# Altium PCB PCB_Amplifier_mini.PcbDoc (part 1 of 2) (continued)
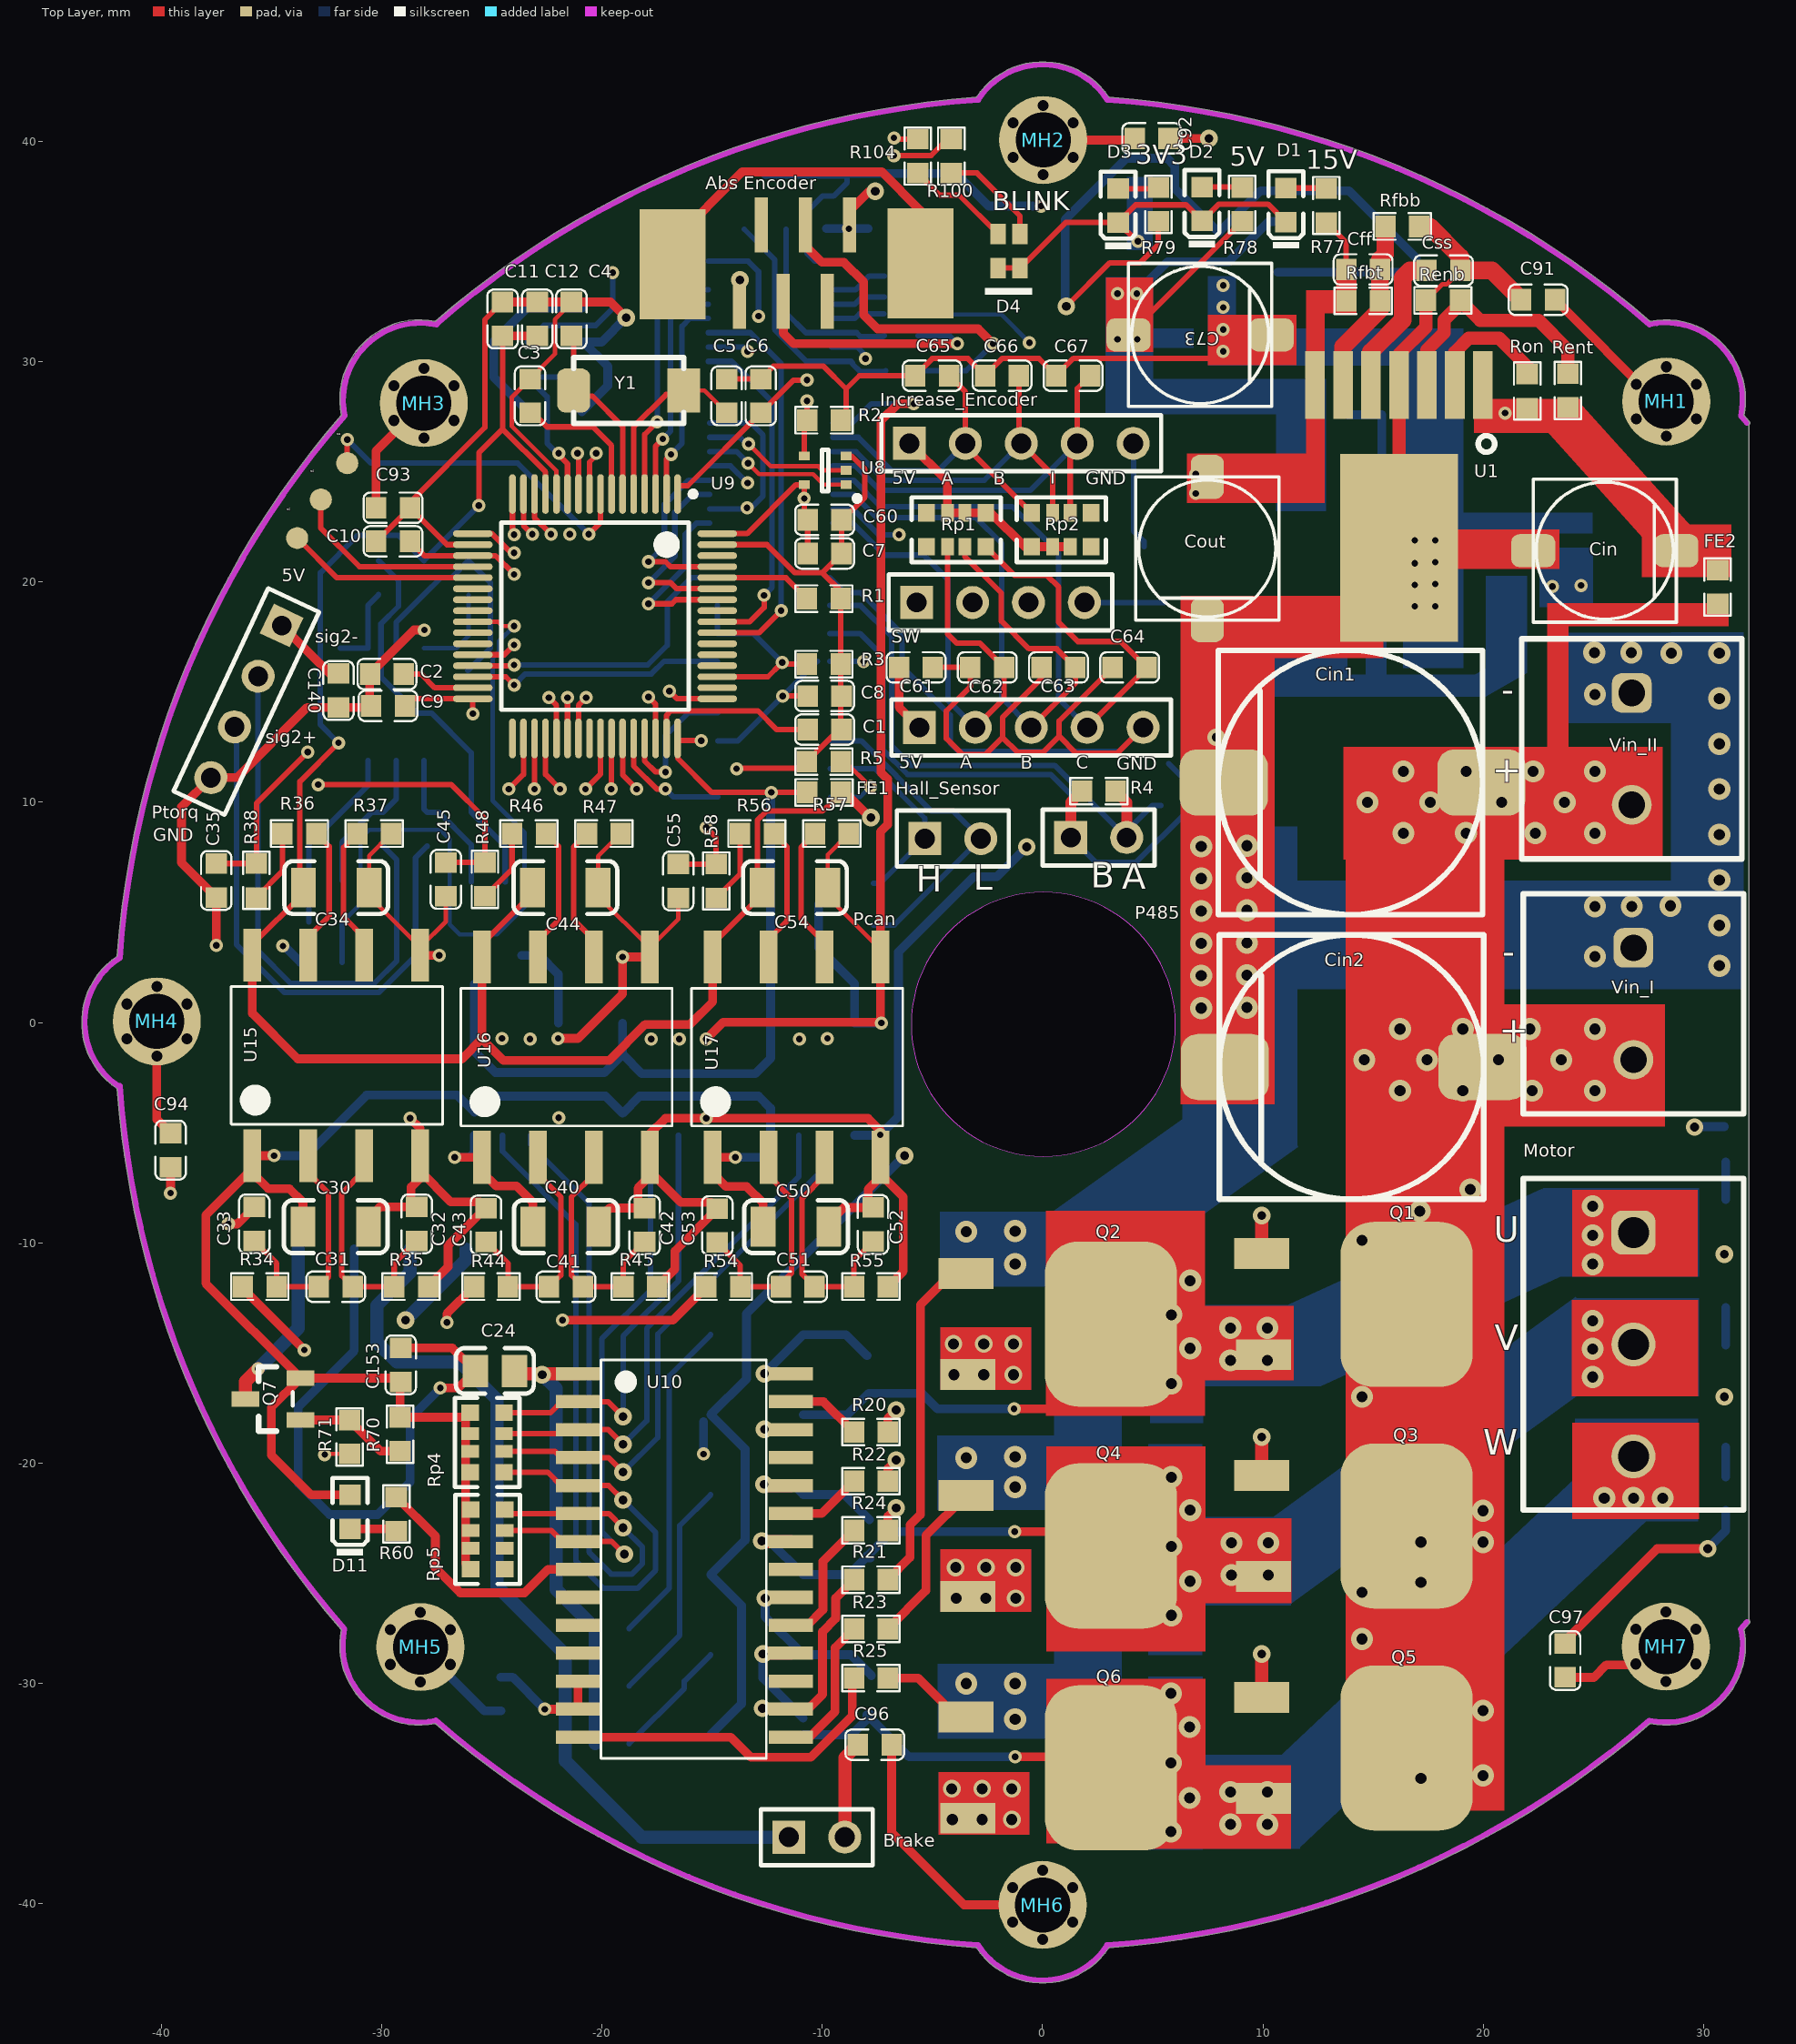
[diagram p0: Top Layer view]
## Components (designator, comment, footprint, x,y, rotation, side; value= is the part's Value field where it differs from the comment)
"Abs Encoder" "7pin FFC" "FPC Con 6pin 1mm" -8.775,35.9 r270 top
Brake "Header 2" HDR1X2 -11.525,-37 r0 top
C1 "2.2uF (225) 10% 16V" 0603_C -9.9,13.3 r180 top
C2 "2.2uF (225) 10% 16V" 0603_C -29.775,15.825 r0 top
C3 "0.1uF 0% 16V" 0603_C -23.275,28.458 r90 top
C4 "20pF 16V" 0603_C -21.4,31.95 r90 top
C5 "20pF 16V" 0603_C -14.35,28.458 r90 top
C6 "10uF (106) 10% 10V" 0603_C -12.8,28.458 r270 top
C7 "1uF (105) 10% 50V" 0603_C -9.9,21.3 r180 top
C8 "100nF (104) 10% 50V" 0603_C -9.9,14.825 r180 top
C9 "100nF (104) 10% 50V" 0603_C -29.725,14.375 r0 top
C10 "100nF (104) 10% 50V" 0603_C -29.5,21.85 r0 top
C11 "100nF (104) 10% 50V" 0603_C -24.525,31.95 r270 top
C12 "100nF (104) 10% 50V" 0603_C -22.95,31.95 r270 top
C21 "1uF (105) 10% 50V" 0805_C -7.975,-16.025 r270 bottom
C22 "1uF (105) 10% 50V" 0805_C -7.975,-23.325 r270 bottom
C23 "1uF (105) 10% 50V" 0805_C -7.975,-30.55 r270 bottom
C24 "22uF (226) 20% 25V" 0805_C -24.875,-15.825 r0 top
C30 "100nF (104) 10% 50V" 1206_C -32.1,-9.275 r180 top
C31 "330pF (331) 5% 50V" 0603_C -32.1,-12 r180 top
C32 "10pF (100) 5% 50V" 0603_C -28.425,-9.15 r270 top
C33 "10pF (100) 5% 50V" 0603_C -35.8,-9.15 r270 top
C34 "100nF (104) 10% 50V" 1206_C -32.075,6.125 r180 top
C35 "100nF (104) 10% 50V" 0603_C -37.525,6.45 r90 top
C40 "100nF (104) 10% 50V" 1206_C -21.65,-9.275 r180 top
C41 "330pF (331) 5% 50V" 0603_C -21.65,-12 r180 top
C42 "10pF (100) 5% 50V" 0603_C -18.075,-9.2 r270 top
C43 "10pF (100) 5% 50V" 0603_C -25.275,-9.2 r270 top
C44 "100nF (104) 10% 50V" 1206_C -21.675,6.125 r180 top
C45 "100nF (104) 10% 50V" 0603_C -27.1,6.5 r90 top
C50 "100nF (104) 10% 50V" 1206_C -11.2,-9.275 r180 top
C51 "330pF (331) 5% 50V" 0603_C -11.125,-12 r180 top
C52 "10pF (100) 5% 50V" 0603_C -7.7,-9.175 r270 top
C53 "10pF (100) 5% 50V" 0603_C -14.775,-9.225 r270 top
C54 "100nF (104) 10% 50V" 1206_C -11.25,6.125 r180 top
C55 "100nF (104) 10% 50V" 0603_C -16.55,6.425 r90 top
C60 "0.1uF (104) 10% 50V" 0603_C -9.9,22.825 r180 top
C61 "0.1uF (104) 10% 50V" 0603_C -5.75,16.125 r180 top
C62 "1nF (102) 10% 50V" 0603_C -2.517,16.125 r0 top
C63 "1nF (102) 10% 50V" 0603_C 0.717,16.125 r0 top
C64 "1nF (102) 10% 50V" 0603_C 3.95,16.125 r0 top
C65 "1nF (102) 10% 50V" 0603_C -5.02,29.375 r0 top
C66 "1nF (102) 10% 50V" 0603_C -1.845,29.375 r0 top
C67 "1nF (102) 10% 50V" 0603_C 1.38,29.375 r0 top
C70 "10uF 10% 16V" "Cap Tan 3015" 24.225,20.725 r90 bottom
C71 "4.7F 10% 50V" 1608[0603] 22.35,21.9 r270 bottom
C72 "10nF 16V 10%" 1608[0603] 15.175,18.1 r90 bottom
C73 "220uF 10V" "6.3x5.4 贴片电解电容" 3.9,27.975 r0 top
C74 "10uF 10% 16V" "Cap Tan 3015" 6.225,33.05 r0 bottom
C75 "0.1uF 50V 10%" 1608[0603] 7.2,31.075 r180 bottom
C76 "0.1uF 50V 10%" 1608[0603] 5.3,37.95 r0 bottom
C77 "10uF 10% 16V" "Cap Tan 3015" 6.2,35.875 r180 bottom
C79 "4.7uF (475) 10% 16V" 0603_C -20.925,28.515 r90 bottom
C80 "100nF (104) 10% 50V" 0603_C -26.1,16.75 r270 bottom
C85 "47pF (470) 5% 50V" 0603_C -28.925,4.525 r180 bottom
C86 "330pF (331) 5% 50V" 0603_C -25.175,6.375 r0 bottom
C87 "330pF (331) 5% 50V" 0603_C -32.585,6.45 r180 bottom
C88 "1nF (102) 10% 50V" 0603_C -32.585,2.725 r0 bottom
C91 "1nF (102) 10% 50V" 0603_C 22.5,32.825 r0 top
C92 "1nF (102) 10% 50V" 0603_C 4.95,40.15 r180 top
C93 "1nF (102) 10% 50V" 0603_C -29.5,23.375 r180 top
C94 "1nF (102) 10% 50V" 0603_C -39.6,-5.8 r90 top
C95 "1nF (102) 10% 50V" 0603_C -24.6,-30.5 r270 bottom
C96 "1nF (102) 10% 50V" 0603_C -7.625,-32.8 r0 top
C97 "1nF (102) 10% 50V" 0603_C 23.725,-28.975 r270 top
C140 "1uF (105) 10% 50V" 0603_C -31.975,15.075 r90 top
C153 "1uF (105) 10% 50V" 0603_C -29.15,-15.55 r270 top
Cff "22nF (223) 10% 50V" 0603_C 14.55,34.2 r180 top
Cin "10uF (106) 10% 63V" "Cap 6.3x5.4" 22.275,18.175 r0 top
Cin1 "12.5x13.5 220uF 63V" "Cap 12.5x13.5" 13.975,10.9 r180 top
Cin2 "12.5x13.5 220uF 63V" "Cap 12.5x13.5" 14.025,-2.025 r180 top
Co1 "1nF (102) 10% 50V" 0603_C 30.25,-8.05 r180 bottom
Co2 "1nF (102) 10% 50V" 0603_C 30.25,-9.65 r180 bottom
Co3 "1nF (102) 10% 50V" 0603_C 30.25,-14.65 r180 bottom
Co4 "1nF (102) 10% 50V" 0603_C 30.25,-16.2 r180 bottom
Co5 "1nF (102) 10% 50V" 0603_C 30.25,-20.65 r180 bottom
Co6 "1nF (102) 10% 50V" 0603_C 30.25,-22.15 r180 bottom
Cout "47uF/25V" "6.3x5.4 贴片电解电容" 4.225,24.775 r270 top
Css "4.7nF (472) 10% 50V" 0603_C 18.2,34.15 r180 top
D1 "绿灯 0603" 0603_LED_S1 11.047,37.125 r90 top
D2 "绿灯 0603" 0603_LED_S1 7.236,37.175 r90 top
D3 "绿灯 0603" 0603_LED_S1 3.425,37.1 r90 top
D4 "LED*2" 0603*2 -2.025,35.8 r0 top
D5 "RS1J" SMA(DO-214AC)_S1 -12.975,-14.175 r180 bottom
D6 "RS1J" SMA(DO-214AC)_S1 -12.975,-17.81 r180 bottom
D7 "RS1J" SMA(DO-214AC)_S1 -12.975,-21.445 r180 bottom
D8 "RS1J" SMA(DO-214AC)_S1 -12.975,-25.08 r180 bottom
D9 "RS1J" SMA(DO-214AC)_S1 -12.975,-28.715 r180 bottom
D10 "RS1J" SMA(DO-214AC)_S1 -12.975,-32.35 r180 bottom
D11 "红灯 0603" 0603_LED_S1 -31.45,-22.225 r90 top
FE1 "" 0603_R -9.925,10.45 r180 top
FE2 "" 0603_R 30.65,19.775 r270 top
Hall_Sensor "" HDR1X5 -5.6,13.4 r0 top
Increase_Encoder "" HDR1X5 -6.05,26.3 r0 top
L1 "22uH" "L 5x5mm" 11.275,23.025 r270 bottom
MH1 "M2 hole" "M2 Hole" 28.315,28.2 r0 top
MH2 "M2 hole" "M2 Hole" 0.025,40.075 r0 top
MH3 "M2 hole" "M2 Hole" -28.1,28.125 r0 top
MH4 "M2 hole" "M2 Hole" -40.225,0.05 r0 top
MH5 "M2 hole" "M2 Hole" -28.254,-28.371 r0 top
MH6 "M2 hole" "M2 Hole" 0,-40.075 r0 top
MH7 "M2 hole" "M2 Hole" 28.3,-28.35 r0 top
Motor "Header 3" "3P 5mm" 26.825,-14.625 r90 top
P485 "Header 2" HDR1X2 1.275,8.4 r0 top
Pcan "Header 2" HDR1X2 -5.35,8.35 r0 top
Ptorq "Header 4" HDR1X4 -34.55,18.025 r245 top
Q1 "IRFR3806PbF" TO-252AA 16.525,-12.8 r270 top
Q2 "IRFR3806PbF" TO-252AA 3.1,-13.7 r270 top
Q3 "IRFR3806PbF" TO-252AA 16.525,-22.875 r270 top
Q4 "IRFR3806PbF" TO-252AA 3.1,-23.775 r270 top
Q5 "IRFR3806PbF" TO-252AA 16.525,-32.95 r270 top
Q6 "IRFR3806PbF" TO-252AA 3.1,-33.85 r270 top
Q7 "MMBT5401 2L" SOT-23(SOT-23-3) -34.95,-17.1 r0 top
R1 "10KΩ (1002) ±1%" 0603_R -9.935,19.25 r180 top
R2 "10KΩ (1002) ±1%" 0603_R -9.925,27.35 r180 top
R3 "10KΩ (1002) ±1%" 0603_R -9.935,16.275 r0 top
R4 "120Ω  ±1%" 0603_R 2.55,10.5 r0 top
R5 "0Ω (0R0) ±1%" 0603_R -9.935,11.85 r180 top
R12 "10Ω (10R0) ±1%" 0603_R -19.55,-27.525 r0 bottom
R13 "10Ω (10R0) ±1%" 0603_R -19.55,-30.138 r0 bottom
R14 "10Ω (10R0) ±1%" 0603_R -19.55,-32.75 r0 bottom
R20 "100Ω (1000) ±1%" 0603_R -7.8,-18.6 r0 top
R21 "100Ω (1000) ±1%" 0603_R -7.8,-25.305 r0 top
R22 "100Ω (1000) ±1%" 0603_R -7.8,-20.835 r0 top
R23 "100Ω (1000) ±1%" 0603_R -7.8,-27.54 r0 top
R24 "100Ω (1000) ±1%" 0603_R -7.8,-23.07 r0 top
R25 "100Ω (1000) ±1%" 0603_R -7.8,-29.775 r0 top
R26 "0.01 3W 0.5%" 2512 -2.85,-12.75 r0 bottom
R27 "0.01 3W 0.5%" 2512 -2.85,-22.825 r0 bottom
R28 "0.01 3W 0.5%" 2512 -2.85,-32.9 r0 bottom
R31 "100Ω (1000) ±1%" 0603_R 30.95,-5.5 r270 bottom
R32 "100Ω (1000) ±1%" 0603_R 30.95,-12.1 r270 bottom
R33 "100Ω (1000) ±1%" 0603_R 30.95,-18.45 r270 bottom
R34 "12Ω (12R0) ±1%" 0603_R -35.55,-12 r0 top
R35 "12Ω (12R0) ±1%" 0603_R -28.675,-12 r180 top
R36 "12Ω (12R0) ±1%" 0603_R -33.75,8.575 r180 top
R37 "12Ω (12R0) ±1%" 0603_R -30.35,8.575 r0 top
R38 "12Ω (12R0) ±1%" 0603_R -35.7,6.45 r90 top
R44 "12Ω (12R0) ±1%" 0603_R -25.05,-12 r0 top
R45 "12Ω (12R0) ±1%" 0603_R -18.275,-12 r180 top
R46 "12Ω (12R0) ±1%" 0603_R -23.325,8.575 r180 top
R47 "12Ω (12R0) ±1%" 0603_R -19.925,8.575 r0 top
R48 "12Ω (12R0) ±1%" 0603_R -25.325,6.5 r90 top
R54 "12Ω (12R0) ±1%" 0603_R -14.5,-12 r0 top
R55 "12Ω (12R0) ±1%" 0603_R -7.8,-12 r180 top
R56 "12Ω (12R0) ±1%" 0603_R -12.975,8.575 r180 top
R57 "12Ω (12R0) ±1%" 0603_R -9.575,8.575 r0 top
R58 "12Ω (12R0) ±1%" 0603_R -14.825,6.425 r90 top
R60 "2.2KΩ (2201) ±1%" 0603_R -29.35,-22.325 r90 top
R70 "100KΩ (1003) ±1%" 0603_R -29.175,-18.7 r90 top
R71 "4.7KΩ (4701) ±1%" 0603_R -31.475,-18.825 r90 top
R75 "10K 1%" 1608[0603] 13.15,27.6 r180 bottom
R76 "3.24k 1%" 1608[0603] 16.1,27.6 r180 bottom
R77 "69KΩ (6901) ±1%" 0603_R 12.875,37.1 r270 top
R78 "1.9KΩ (1901) ±1%" 0603_R 9.064,37.15 r270 top
R79 "1KΩ (1001) ±1%" 0603_R 5.253,37.15 r270 top
R81 "220Ω (2200) ±1%" 0603_R -6.35,29.6 r0 bottom
R85 "10KΩ (1002) ±1%" 0603_R -28.1,20.2 r90 bottom
R86 "10KΩ (1002) ±1%" 0603_R -26.075,20.2 r90 bottom
R87 "47Ω (47R0) ±1%" 0603_R -30.15,20.2 r90 bottom
R94 "11KΩ (1102) ±1%" 0603_R -29.95,8.775 r270 bottom
R95 "11KΩ (1102) ±1%" 0603_R -27.95,8.775 r270 bottom
R96 "10KΩ (1002) ±1%" 0603_R -25.95,8.775 r90 bottom
R97 "10KΩ (1002) ±1%" 0603_R -31.85,8.775 r90 bottom
R98 "47KΩ (4702) ±1%" 0603_R -28.925,6.375 r180 bottom
R99 "2KΩ (2001) ±1%" 0603_R -32.55,4.575 r0 bottom
R100 "1KΩ (1001) ±1%" 0603_R -4.15,39.35 r90 top
R101 "82KΩ (8202) ±1%" 0603_R -23.4,31.675 r270 bottom
R102 "10KΩ (1002) ±1%" 0603_R -20.925,31.675 r90 bottom
R103 "10KΩ (1002) ±1%" 0603_R -23.4,28.55 r270 bottom
R104 "1KΩ (1001) ±1%" 0603_R -5.675,39.35 r90 top
Renb "4.32KΩ (4321) ±1%" 0603_R 18.175,32.8 r0 top
Rent "68KΩ (6802) ±1%" 0603_R 23.85,28.7 r90 top
Rfbb "1.91KΩ (1911) ±1%" 0603_R 16.325,36.15 r180 top
Rfbt "34KΩ (3402) ±1%" 0603_R 14.55,32.775 r180 top
Ron "287KΩ (2873) ±1%" 0603_R 22,28.675 r90 top
Rp1 "1KΩ (102) ±5%" 0603_Rx4 -3.925,22.375 r0 top
Rp2 "1KΩ (102) ±5%" 0603_Rx4 0.85,22.375 r180 top
Rp3 "220Ω (221) ±5%" 0603_Rx4 -6.425,32.55 r90 bottom
Rp4 "4.7KΩ (472) ±5%" 0603_Rx4 -25.225,-19.075 r90 top
Rp5 "4.7KΩ (472) ±5%" 0603_Rx4 -25.2,-23.475 r90 top
SW "Header 4" HDR1X4 -5.725,19.075 r0 top
T1 "SS12" "DO214 SS12" 17.375,17.45 r0 bottom
tp1 "test point" testPoint -32.775,23.75 r0 top
tp2 "test point" testPoint -33.85,22 r90 top
tp3 "test point" testPoint -31.575,25.4 r90 top
U "TPS5430" SOIC8 17.8,21.9 r0 bottom
U1 "LMZ14201" LMZ14201H 16.175,28.95 r180 top
U3 "LM1117-3.3" "SOT-223 LM1117-3.3" 10.675,34.075 r90 bottom
U5 "PESD5VL2BT" SOT-23(SOT-23-3) -8.875,37.3 r270 bottom
U6 "PESD3V3L2BT" SOT-23(SOT-23-3) 4.6,20.35 r270 bottom
U7 "PESD3V3L2BT" SOT-23(SOT-23-3) -24.9,3.05 r180 bottom
U8 "NC7S86" "5Lead SC70" -9.875,25.075 r90 top
U9 "STM32F405RGT6" STM-LQFP64_N -20.325,18.45 r270 top
U10 "IR2130" "28-Lead SOIC(wide body)" -21.1,-15.95 r0 top
U11 "Adum1200" SOP-8 -12.35,-0.025 r270 bottom
U12 "Adum1200" SOP-8 -19.075,-0.025 r270 bottom
U13 "Adum1200" SOP-8 -25.8,-0.025 r270 bottom
U15 "AMC1200-Q1" SOP_4.85mm -32.075,-1.55 r90 top
U16 "AMC1200-Q1" SOP_4.85mm -21.65,-1.625 r90 top
U17 "AMC1200-Q1" SOP_4.85mm -11.175,-1.625 r90 top
U18 "TXB0106" "TSSOP 16PIN" -15.125,22.675 r0 bottom
U19 "TXB0106" "TSSOP 16PIN" -15.175,30.025 r0 bottom
U20 "PESD5VL2BT" SOT-23(SOT-23-3) -12.6,37.275 r270 bottom
U21 "TQ2SA-5V" TQ2SA -33.8,-19.85 r0 bottom
U22 "TLV2772_D_8" SOP-8 -31.9,17 r270 bottom
U26 "VP230" SOP-8 -14.75,10.25 r0 bottom
U27 "SP3485" SOP-8 -14.775,16.4 r0 bottom
U28 "PESD3V3L2BT" SOT-23(SOT-23-3) -8.925,5.375 r0 bottom
U29 "PESD3V3L2BT" SOT-23(SOT-23-3) 6.625,10.8 r180 bottom
Vin_I "Header 2" "2P 5mm" 26.825,0.85 r270 top
Vin_II "Header 2" "2P 5mm" 26.75,12.425 r270 top
Y1 "XTAL" "XTAL CPX53GB" -18.8,27.2 r0 top

## Footprints (in the part's own frame and the unit in brackets; to place one, negate y for a bottom-side part, rotate by r counter-clockwise, add the part's x,y. Pads: shape width x height; smd on the part's side, far side on the other; paste and mask are expansions set on the pad)
"2P 5mm" [mm]
  rrect50% 1.8x1.8 hole 1.2: 1(-2.54,0)
  round 1.8 hole 1.2: 2(2.54,0)
  silkscreen extent -5,-5 5,5, body extent -5.32,-5.19 5.33,5.2, height 14.21
"3P 5mm" [mm]
  rrect50% 2x2 hole 1.4: 1(5.08,0)
  round 2 hole 1.4: 2(0,0) 3(-5.08,0)
  silkscreen extent -7.52,-5 7.54,5
"5Lead SC70" [mm] "NC7S86 1.25mm wide"
  rect 0.4x0.5 smd: 1(-0.65,-0.95) 2(0,-0.95) 3(0.65,-0.95) 4(0.65,0.95) 5(-0.65,0.95)
  silkscreen extent -1.4,-1.58 0.92,0.15, body extent -1,-0.6 0.97,0.63, height 1.3
"6.3x5.4 贴片电解电容" [mm]
  rrect50% 2x1.5 smd: 1(0,3.25) 2(6.5,3.25)
  silkscreen extent 0,0 6.5,6.5, body extent -0.05,0.05 6.45,6.55, height 8
"28-Lead SOIC(wide body)" [mm] "IR2136STRPBF 三相驱动桥"
  rect 2x0.6 smd: 1(0,0) 2(0,-1.27) 3(0,-2.54) 4(0,-3.81) 5(0,-5.08) 6(0,-6.35) 7(0,-7.62) 8(0,-8.89) 9(0,-10.16) 10(0,-11.43) 11(0,-12.7) 12(0,-13.97) 13(0,-15.24) 14(0,-16.51) 15(9.675,-16.51) 16(9.675,-15.24) 17(9.675,-13.97) 18(9.675,-12.7) 19(9.675,-11.43) 20(9.675,-10.16) 21(9.675,-8.89) 22(9.675,-7.62) 23(9.675,-6.35) 24(9.675,-5.08) 25(9.675,-3.81) 26(9.675,-2.54) 27(9.675,-1.27) 28(9.675,0)
  silkscreen extent 1.05,-17.47 8.55,0.63, body extent -0.5,-17.27 10,0.73, height 2.5
0603*2 [mm] "˫ɫLED"
  rect 0.7x0.93 smd: 1(1,0) 2(0,0) 3(1,-1.54) 4(0,-1.54)
  silkscreen extent -0.6,-2.75 1.55,-2.45, body extent -0.4,-1.57 1.4,0.03, height 0.6
0603_C [mm]
  rect 0.93x0.98 smd: 1(-0.77,0) 2(0.77,0)
  silkscreen extent -1.33,-0.69 1.34,0.69, body extent -0.8,-0.4 0.8,0.4, height 0.3
0603_LED_S1 [mm]
  rect 0.93x0.98 smd: A(0.77,0) K(-0.77,0)
  silkscreen extent -1.98,-0.79 1.54,0.79, body extent -0.8,-0.4 0.8,0.4, height 0.6
0603_R [mm]
  rect 0.93x0.98 smd: 1(-0.77,0) 2(0.77,0)
  silkscreen extent -1.3,-0.6 1.3,0.6, body extent -0.85,-0.4 0.85,0.4, height 0.56
0603_Rx4 [mm]
  rect 0.75x0.8 smd mask+0.051: 1(-1.35,-0.77) 4(1.35,-0.77) 5(1.35,0.77) 8(-1.35,0.77)
  rect 0.58x0.8 smd mask+0.051: 2(-0.4,-0.77) 3(0.4,-0.77) 6(0.4,0.77) 7(-0.4,0.77)
  silkscreen extent -2.02,-1.47 2.02,1.47, body extent -1.6,-0.8 1.6,0.8, height 0.55
0805_C [mm]
  rect 1.16x1.47 smd: 1(-0.89,0) 2(0.89,0)
  silkscreen extent -1.77,-1.04 1.77,1.04, body extent -1,-0.63 1,0.63, height 0.77
1206_C [mm]
  rect 1.13x1.8 smd: 1(-1.49,0) 2(1.49,0)
  silkscreen extent -2.36,-1.2 2.35,1.2, body extent -1.6,-0.81 1.6,0.79, height 1
1608[0603] [mm] "Chip Capacitor, Body 1.6x0.8mm, IPC High Density"
  rect 0.8x0.9 smd: 1(-0.7,0) 2(0.7,0)
  body extent -0.87,-0.48 0.87,0.48, height 1.3
2512 [mm]
  rect 3.4x2 smd: 1(-0.101,-2.667) 2(-0.101,2.933)
  silkscreen extent -2.1,-2.67 1.9,3.03, body extent -1.6,-2.77 1.4,3.23, height 0.5
"Cap 6.3x5.4" [mm] "贴片电解电容"
  rrect50% 2x1.5 smd: 1(0,3.25) 2(6.5,3.25)
  silkscreen extent 0,0 6.5,6.5, body extent -0.05,0.05 6.45,6.55, height 8
"Cap 12.5x13.5" [mm] "SMD Aluminum Electrolytic Cap"
  rrect50% 4x3 smd: 1(-5.95,0) 2(5.75,0)
  silkscreen extent -6,-6 6,6, body extent -4.15,-4.15 4.15,4.15, height 10.5
"Cap Tan 3015" [mm]
  rrect50% 1.2x1.6 smd: 1(-1.8,0)
  rect 1.2x1.6 smd: 2(1.8,0)
  silkscreen extent -2.85,-1 -2.85,0.87
"DO214 SS12" [mm] "二极管 SS14"
  rect 1.6x2 smd: 1(0,0) 2(4.325,0)
  silkscreen extent 4.91,-1.8 5.65,1.83, body extent -0.45,-1.3 4.75,1.3, height 2.4
"FPC Con 6pin 1mm" [mm] "立式插座"
  rect 2.5x0.6 smd: 1(-0.325,0) 2(3.15,-1) 3(-0.325,-2) 4(3.15,-3) 5(-0.325,-4) 6(3.15,-5)
  rect 5x3 smd: 7(1.425,3.225) 7(1.475,-8.025)
  body extent -1.63,-9 4.43,4, height 5.7
HDR1X2 [mm] "Connector; Header; 2 Position"
  rect 1.5x1.5 hole 0.9: 1(0,0)
  round 1.5 hole 0.9: 2(2.54,0)
  silkscreen extent -1.27,-1.27 3.81,1.27
HDR1X4 [mm] "Connector; Header; 4 Position"
  rect 1.5x1.5 hole 0.9: 1(0,0)
  round 1.5 hole 0.9: 2(2.54,0) 3(5.08,0) 4(7.62,0)
  silkscreen extent -1.27,-1.27 8.89,1.27
HDR1X5 [mm] "Connector; Header; 5 Position"
  rect 1.5x1.5 hole 0.9: 1(0,0)
  round 1.5 hole 0.9: 2(2.54,0) 3(5.08,0) 4(7.62,0) 5(10.16,0)
  silkscreen extent -1.27,-1.27 11.43,1.27
"L 5x5mm" [mm] "5x5mm电感"
  rect 1.4x4.5 smd: 1(-0.05,0.025) 2(5,0)
  silkscreen extent -0.95,-2.7 5.9,2.75, body extent -0.48,-2.4 5.38,2.37, height 3.6
LMZ14201H [mm] "LMZ14201H 1A SIMPLE SWITCHER,Power Module for High Output Voltage"
  rect 0.89x3.06 smd: 1(-3.81,0) 2(-2.54,0) 3(-1.27,0) 4(0,0) 5(1.27,0) 6(2.54,0) 7(3.81,0)
  rect 5.35x8.54 smd: 8(0,7.4)
  silkscreen extent -4.35,2.3 -3.6,3.05, body extent -5.12,-1.07 5.08,12.73, height 4.5
"M2 Hole" [mm] "孔径2.5mm"
  round 4 hole 2.5: 1(0,0)
SMA(DO-214AC)_S1 [mm]
  rect 2x2 smd: 1(2.1,0) 2(-2.1,0)
  silkscreen extent -2.35,-1.5 2.35,1.5
SOIC8 [mm] "TPS5430"
  rect 1.55x0.6 smd: 1(-2.7,1.905) 2(-2.7,0.635) 3(-2.7,-0.635) 4(-2.7,-1.905) 5(2.7,-1.905) 6(2.7,-0.635) 7(2.7,0.635) 8(2.7,1.905)
  rect 2.6x3.1 smd: 9(0,0)
  silkscreen extent -3.3,3.13 -3.1,3.13, body extent -2.9,-2.5 2.9,2.5, height 2.11
SOP-8 [mm]
  rect 2x0.6 smd: 1(0,0)
  oval 2x0.6 smd: 2(0,-1.27) 3(0,-2.54) 4(0,-3.81) 5(5.1,-3.81) 6(5.1,-2.54) 7(5.1,-1.27) 8(5.1,0)
  silkscreen extent 1.46,-4.45 3.64,0.63, body extent -0.32,-4.4 5.48,0.6, height 2.11
SOP_4.85mm [mm] "全差动隔离放大器"
  rect 2.4x0.8 smd: 1(-4.5,3.81) 2(-4.5,1.27) 3(-4.5,-1.27) 4(-4.5,-3.81) 5(4.6,-3.81) 6(4.6,-1.27) 7(4.6,1.27) 8(4.6,3.81)
  silkscreen extent -3.08,-4.82 3.18,4.77, body extent -5.25,-4.7 5.45,4.8, height 4.85
SOT-23(SOT-23-3) [mm]
  rect 1.25x0.7 smd: 1(1.25,-0.95) 2(1.25,0.95) 3(-1.25,0)
  silkscreen extent -0.65,-1.46 0.9,1.46, body extent -1.5,-1.5 1.5,1.5, height 1.3
"SOT-223 LM1117-3.3" [mm]
  rrect50% 1x2 smd: 1(2.3,0)
  rect 1x2 smd: 2(0,0) 3(-2.3,0)
  rect 4x3 smd: 4(0,6.3)
  silkscreen extent -3.25,1.5 3.25,5, body extent -3.25,0.03 3.25,7.33, height 1.6
STM-LQFP64_N [mm] "Thin QFP, 64-Leads, Body 10x10mm, Pitch 0.5mm, IPC Medium Density"
  oval 1.8x0.3 smd: 1(-5.55,3.75) 2(-5.55,3.25) 3(-5.55,2.75) 4(-5.55,2.25) 5(-5.55,1.75) 6(-5.55,1.25) 7(-5.55,0.75) 8(-5.55,0.25) 9(-5.55,-0.25) 10(-5.55,-0.75) 11(-5.55,-1.25) 12(-5.55,-1.75) 13(-5.55,-2.25) 14(-5.55,-2.75) 15(-5.55,-3.25) 16(-5.55,-3.75) 33(5.55,-3.75) 34(5.55,-3.25) 35(5.55,-2.75) 36(5.55,-2.25) 37(5.55,-1.75) 38(5.55,-1.25) 39(5.55,-0.75) 40(5.55,-0.25) 41(5.55,0.25) 42(5.55,0.75) 43(5.55,1.25) 44(5.55,1.75) 45(5.55,2.25) 46(5.55,2.75) 47(5.55,3.25) 48(5.55,3.75)
  oval 0.3x1.8 smd: 17(-3.75,-5.55) 18(-3.25,-5.55) 19(-2.75,-5.55) 20(-2.25,-5.55) 21(-1.75,-5.55) 22(-1.25,-5.55) 23(-0.75,-5.55) 24(-0.25,-5.55) 25(0.25,-5.55) 26(0.75,-5.55) 27(1.25,-5.55) 28(1.75,-5.55) 29(2.25,-5.55) 30(2.75,-5.55) 31(3.25,-5.55) 32(3.75,-5.55) 49(3.75,5.55) 50(3.25,5.55) 51(2.75,5.55) 52(2.25,5.55) 53(1.75,5.55) 54(1.25,5.55) 55(0.75,5.55) 56(0.25,5.55) 57(-0.25,5.55) 58(-0.75,5.55) 59(-1.25,5.55) 60(-1.75,5.55) 61(-2.25,5.55) 62(-2.75,5.55) 63(-3.25,5.55) 64(-3.75,5.55)
  silkscreen extent -5.67,-4.25 4.25,4.58, body extent -5,-5 5,5, height 1.6
testPoint [mm]
  round 1 smd: 1(0,0)
TO-252AA [mm] "IRFR3806PbF N沟道MOSFET"
  rect 1.4x2.5 smd: 1(-2.3,-6.575) 3(2.29,-6.5)
  rrect50% 7.5x6 smd: 2(0,0)
  body extent -3.3,-7.44 3.3,2.49, height 2.2
TQ2SA [mm] "双通道继电器"
  rect 1x2.94 smd: 1(0,-9.56) 2(2.54,-9.56) 3(5.08,-9.56) 4(7.62,-9.56) 5(10.16,-9.56) 6(10.16,0) 7(7.62,0) 8(5.08,0) 9(2.54,0) 10(0,0)
  silkscreen extent -1.97,-9.1 12.03,-0.1, body extent -1.95,-9.17 12.05,-0.17, height 5.6
"TSSOP 16PIN" [mm] "TXB0106 tssop"
  rect 1.6x0.3 smd: 1(0,0) 2(0,-0.65) 3(0,-1.3) 4(0,-1.95) 5(0,-2.6) 6(0,-3.25) 7(0,-3.9) 8(0,-4.55) 9(5.6,-4.55) 10(5.6,-3.9) 11(5.6,-3.25) 12(5.6,-2.6) 13(5.6,-1.95) 14(5.6,-1.3) 15(5.6,-0.65) 16(5.6,0)
  silkscreen extent 0.38,-5.3 5.2,0.72
"XTAL CPX53GB" [mm]
  rrect50% 1.5x2 smd: 1(-2.5,1.5)
  rect 1.5x2 smd: 2(2.5,1.5)
  silkscreen extent -2.5,0 2.5,3, body extent -2.48,0 2.52,3, height 0.85

## Part data
"Abs Encoder": library part "Header 7", "1mm 7pin FPC插座 下贴翻盖"
Brake: "电磁抱闸接口"
C1 C2 C3: library part "0603 2.2uF (225) 10% 16V", "贴片电容"
C4 C5: library part "0603 6pF (6R0) 0.25pF 50V", "贴片电容"
C6 C60 C61: library part "0603 10uF (106) 10% 10V", "贴片电容"
C7 C140 C153: library part "0603 1uF (105) 10% 50V", "贴片电容"
C8 C9 C10 C11 C12 C35 C45 C55 C80: library part "0603 100nF (104) 10% 50V", "贴片电容"
C21 C22 C23: library part "0805 1uF (105) 10% 50V", "贴片电容"
C24: library part "0805 22uF (226) 20% 25V", "贴片电容"
C30 C34 C40 C44 C50 C54: library part "1206 100nF (104) 10% 50V", "贴片电容"
C31 C41 C51 C86 C87: library part "0603 330pF (331) 5% 50V", "贴片电容"
C32 C33 C42 C43 C52 C53: library part "0603 10pF (100) 5% 50V", "贴片电容"
C62 C63 C64 C65 C66 C67 C88 C91 C92 C93 C94 C95 C96 C97 Co1 Co2 Co3 Co4 Co5 Co6: library part "0603 1nF (102) 10% 50V", "贴片电容"
C70: library part CAPACITOR, "贴片钽电容"
C71 C72: library part Cap, "贴片电容"
C73: library part "CAPACITOR POL", "表贴电解电容 5x5.9"
C74 C77: library part "Cap Pol3", "贴片钽电容"
C75 C76: library part "Cap Semi", "贴片电容"
C79: library part "0603 4.7uF (475) 10% 16V", "贴片电容"
C85: library part "0603 47pF (470) 5% 50V", "贴片电容"
Cff: library part "0603 22nF (223) 10% 50V", "贴片电容"
Cin: library part "1206 10uF (106) 10% 50V", "贴片电容"
Cin1 Cin2: library part "Cap Pol1", "表贴电解电容"
Cout: library part "Cap Pol1", "贴片电解电容"
Css: library part "0603 4.7nF (472) 10% 50V", "贴片电容"
D1 D2 D3: library part "0603 绿灯", "发光二极管"
D4: library part "0603*2 LED", "0603双色LED，红，黄绿"
D5 D6 D7 D8 D9 D10: library part "SMA(DO-214AC) M7", "快速恢复二极管 600V 1A"
D11: library part "0603 红灯", "发光二极管"
FE1 FE2: library part "0603 1Ω (1R00) 1%", "磁珠"
Hall_Sensor Increase_Encoder: library part "Header 5", "Header, 5-Pin"
L1: library part INDUCTOR_SLF, "贴片电感"
Motor: "电机绕组接线"
P485 Pcan Vin_I Vin_II: "Header, 2-Pin"
Ptorq SW: "Header, 4-Pin"
Q1 Q2 Q3 Q4 Q5 Q6: library part NMOS-2, "N-Channel Power MOSFET 60V 43A"
Q7: library part "SOT-23 MMBT5401 2L", "三极管"
R1 R2 R3 R4 R85 R86 R96 R97 R102 R103: library part "0603 10KΩ (1002) 1%", "贴片电阻"
R5: library part "0603 0Ω (0R0) 1%", "贴片电阻"
R12 R13 R14 R34 R35 R36 R37 R38 R44 R45 R46 R47 R48 R54 R55 R56 R57 R58: library part "0603 10Ω (10R0) 1%", "贴片电阻"
R20 R21 R22 R23 R24 R25 R26 R27 R28 R31 R32 R33: library part "0603 100Ω (1000) 1%", "贴片电阻"
R60: library part "0603 2.2KΩ (2201) 1%", "贴片电阻"
R70: library part "0603 100KΩ (1003) 1%", "贴片电阻"
R71: library part "0603 4.7KΩ (4701) 1%", "贴片电阻"
R75 R76: library part res1, "贴片电阻"
R77 R78 R79 R100 R104: library part "0603 1KΩ (1001) 1%", "贴片电阻"
R81: library part "0603 220Ω (2200) 1%", "贴片电阻"
R87: library part "0603 47Ω (47R0) 1%", "贴片电阻"
R94 R95: library part "0603 11KΩ (1102) 1%", "贴片电阻"
R98: library part "0603 47KΩ (4702) 1%", "贴片电阻"
R99: library part "0603 2KΩ (2001) 1%", "贴片电阻"
R101: library part "0603 82KΩ (8202) 1%", "贴片电阻"
Renb Rent Ron: library part "0603 270KΩ (2703) 1%", "贴片电阻"
Rfbb: library part "0603 1.8KΩ (1801) 1%", "贴片电阻"
Rfbt: library part "0603 36KΩ (3602) 1%", "贴片电阻"
Rp1 Rp2 Rp3: library part "0603*4  1KΩ (102) 5%", "贴片排阻"
Rp4 Rp5: library part "0603*4  4.7KΩ (472) 5%", "贴片排阻"
T1: library part B360A, "贴片肖特基二极管"
U: "DCDC 5V 3A"
U1: "LMZ14201H 1A SIMPLE SWITCHER Power Module for High Output Voltage"
U3: "表贴线性稳压芯片"
U5 U6 U7 U20 U28 U29: library part PSM712-LF-T7_[C32677], "TVS 瞬态抑制二极管"
U8: "单路异或门"
U9: "ARM Cortex-M4 32-bit MCU+FPU, 210 DMIPS, 1024 kB Flash, 192 kB Internal RAM, 51 I/Os, 64-pin LQFP, -40 to 85 degC, Tray"
U10: "3-phase bridge driver"
U11 U12 U13: library part "ADUM 1200", "数字隔离器 1MHz"
U15 U16 U17: library part AMC1200, "全差动隔离放大器 固定增益8倍 隔离电压4000V"
U18 U19: "6-Bit Bidirectional Level-Shifting and Voltage Translator  With Auto-Direction Sensing and ±15-kV ESD Protection"
U21: library part TQ2SA, "双通道继电器"
U22: "双路运放"
U26: "CAN收发芯片"
U27: "485电平转化芯片"
Y1: "贴片无源晶振"

## Via types
v1: diameter 0.6, hole 0.3, Top Layer to Bottom Layer, 125 vias
v2: diameter 1, hole 0.5, Top Layer to Bottom Layer, 109 vias
v3: diameter 0.8, hole 0.5, Top Layer to Bottom Layer, 60 vias
v4: diameter 0.8, hole 0.4, Top Layer to Bottom Layer, 34 vias

## Nets (pads, with @x,y where several pads share a name; then routed paths per layer and width w, separated by ;. In a path a pad name is that pad's centre, name@x,y a point inside that pad or via, vN(x,y) a via of type N, cw(c..) or ccw(c..) an arc to the next point about the centre after c; other vN are vias at no path point)
3V3_A: C11.2 C12.2 C34.2 C44.2 C54.2 C76.2 C77.1 FE1.1 R79.2 R85.2 U3.2 U3.4 U9.13 U15.8 U16.8 U17.8 U22.8 | length 161.3
  Top Layer w0.25: U15.8@-35.885,3.54 -33.565,5.86 C34.2@-33.565,6.125 -33.73,6.29 -33.73,10.945 v1(-31.975,12.7) ; v1(-25.6,23.475) -25.6,25.875 -24.525,26.95 ; U16.8@-25.46,3.565 -23.165,5.86 C44.2@-23.165,6.125 ; C11.2@-24.525,31.18 -24.525,26.95 ; U9.13@-22.575,24 -22.575,25 -24.525,26.95 ; U17.8@-14.985,3.565 -12.74,5.81 C54.2@-12.74,6.125 -12.955,6.34 -12.955,9.183 -12.538,9.6 -10.005,9.6 FE1.1@-9.005,10.475 ; v4(1.075,32.525) 3.05,34.5 4.425,34.5 5.253,35.328 R79.2@5.253,36.38
  Top Layer w0.4: U15.8@-35.885,3.05 -35.885,0.41 -33.825,-1.65 -26.362,-1.65 -25.46,-0.748 ; U16.8@-25.46,2.975 -25.46,-0.748 ; C11.2@-24.525,31.18 C12.2@-22.95,31.18 ; U17.8@-14.985,2.975 -14.985,0.94 -16.015,-0.09 -18.048,-0.09 -19.683,-1.725 -24.483,-1.725 -25.46,-0.748 ; FE1.1@-9.005,10.475 v4@-7.855,9.325
  GND w0.4: v4(-7.8,9.3) -8.5,10 -8.5,12.95 -6.15,15.3 0.35,15.3 3.65,18.6 3.65,20.6 2.875,21.375 2.875,27.25 1.075,29.05 v4(1.075,32.525)
  Bottom Layer w0.25: v1(-31.975,12.7) -32.8,13.525 -32.8,20.425 -31.1,22.125 -29.255,22.125 R85.2@-28.1,20.97 -25.6,23.47 v1(-25.6,23.475)
  Bottom Layer w0.4: v4@1.025,32.525 1.025,36.475 3.8,39.25 5.65,39.25 6,38.9 C76.2@6,37.95 ; C76.2@6,37.875 C77.1@8,35.875 9.9,37.775 13.9,37.775 U3.4@16.975,34.7 ; U3.2@10.675,34.075 U3.4@16.975,34.075
3V3_D: C6.2 C7.2 C8.2 C9.2 C10.2 C60.2 FE1.2 SW.4 U6.1 U6.2 U7.1 U8.5 U9.1 U9.19 U9.32 U9.48 U9.64 U11.1 U12.1 U13.1 U18.2 U18.8 U19.2 U19.8 U26.3 U27.8 | length 147
  Top Layer w0.25: C10.2@-28.73,21.85 -28.08,21.2 U9.19@-25.875,21.2 -24.85,21.2 v1(-24,20.35) ; C9.2@-28.63,14.7 U9.32@-25.875,14.7 v1(-25.875,14.025) ; U9.48@-16.575,12.9 -16.575,12 -15.025,10.45 FE1.2@-10.695,10.45 ; U9.1@-16.55,24.375 -16.113,24.375 C6.2@-12.8,27.688 -11.313,29.175 v1(-10.7,29.175) ; U9.48@-16.475,12.8 v1(-15.5,12.8) ; U9.64@-14.775,22.2 -13.425,22.2 -11.2,24.425 U8.5@-10.825,24.425 v1(-10.825,23.8) C60.2@-10.825,22.98 ; v1@-13.453,30.475 v1(-13.4,30.475) ; v1(-11.8,14.825) C8.2@-10.67,14.825 ; C60.2@-10.825,22.825 C60.2@-10.67,22.825 C7.2@-10.67,21.3
  GND w0.25: v1(-24,20.35) -25.875,18.475 v1(-25.875,14.025) -24.65,12.8 -18.85,12.8 ; v1(-15.5,12.8) -18.85,12.8 ; v1(-12.9,32.075) -13.4,31.575 v1(-13.4,30.475) -12,30.475 v1(-10.7,29.175) -9.95,28.425 -9.95,24.675 v1(-10.825,23.8) -11.25,23.375 v1(-13.425,23.375) -13.425,20.425 -18.85,15 -18.85,12.8 ; v1(-8.125,16.4) -0.78,16.4 SW.4@1.895,19.075
  Bottom Layer w0.25: U19.2@-15.175,30.675 -13.6,30.675 v1(-13.4,30.475) ; U19.8@-15.175,34.575 -13.375,34.575 -12.9,34.1 v1(-12.9,32.075) ; U18.2@-15.125,23.325 v1@-13.475,23.325 ; U18.8@-15.125,27.225 -13.25,27.225 -12.695,26.67 -12.695,23.905 -13.275,23.325 v1@-13.425,23.325 ; U26.3@-14.75,12.79 -13.835,12.79 v1(-11.8,14.825) U27.8@-10.225,16.4 ; U27.8@-9.675,16.4 v1(-8.125,16.4) ; SW.4@1.895,19.075 U6.1@5.525,19.075
  Bottom Layer w0.4: U7.1@-25.8,1.75 U13.1@-25.8,-0.025 -25.8,-1.325 -24.85,-2.275 -19.9,-2.275 -19.075,-1.45 ; U12.1@-19.075,-0.025 -19.075,-1.45 ; v1@-12.35,10.45 U11.1@-12.35,-0.025 -12.35,-1.625 -13.05,-2.325 -18.2,-2.325 -19.075,-1.45
  other v1: -12.325,10.45
3V3_D_GND: SW.1
5V: "Abs Encoder.1" C30.2 C40.2 C50.2 C61.2 C73.1 C74.1 C75.2 C140.2 C153.2 D11.A Hall_Sensor.1 Increase_Encoder.1 L1.1 Ptorq.1 Q7.2 R70.2 R75.2 R78.2 Rp1.5 Rp1.6 Rp1.7 Rp2.5 Rp2.6 Rp2.7 Rp4.5 Rp4.6 Rp4.7 Rp4.8 Rp5.5 Rp5.6 Rp5.7 Rp5.8 U3.1 U5.1 U5.2 U11.8 U12.8 U13.8 U15.1 U16.1 U17.1 U18.15 U19.15 | length 250.7
  Top Layer w0.25: C73.1@3.9,31.225 R78.2@9.055,36.38
  Top Layer w0.4: U15.1@-35.885,-6.635 -38,-8.75 -38,-11.85 Q7.2@-33.7,-16.15 ; v1(-34.9,-6.05) U15.1@-35.885,-6.05 -35.885,-6.831 -35.166,-7.55 -34.2,-7.55 -33.59,-8.16 C30.2@-33.59,-9.275 ; Ptorq.1@-34.55,18.025 C140.2@-32.37,15.845 ; D11.A@-31.45,-21.455 -33.22,-21.455 -35.025,-19.65 -35.025,-17.475 Q7.2@-33.7,-16.15 ; v1(-26.7,-6.125) U16.1@-25.46,-6.125 -25.46,-6.79 -24.825,-7.425 -23.9,-7.425 -23.14,-8.185 C40.2@-23.14,-9.275 ; Rp5.8@-26.2,-24.595 -26.2,-17.93 R70.2@-29.175,-17.93 -29.175,-16.295 -29.32,-16.15 Q7.2@-33.7,-16.15 ; v1(-13.95,-6.125) U17.1@-14.985,-6.125 -14.985,-6.84 -14.375,-7.45 -13.45,-7.45 -12.69,-8.21 C50.2@-12.69,-9.275 ; v1@-8.775,36.225 -8.775,36.85 -7.875,37.75 v4(-7.6,37.75) ; C61.2@-6.52,16.125 -6.52,14.32 Hall_Sensor.1@-5.6,13.4 ; Increase_Encoder.1@-6.05,26.3 -4.325,24.575 Rp1.7@-4.325,23.145 Rp1.6@-3.525,23.145 Rp1.5@-2.575,23.145 -2.345,23.145 -0.805,21.605 Rp2.5@-0.5,21.605 Rp2.6@0.45,21.605 Rp2.7@1.25,21.605
  VDD w0.4: Ptorq.1@-34.3,18.025 -14.575,37.75 v4(-7.6,37.75) -4.525,34.675 2.7,34.675 v1(4.275,33.1) ; v1(-13.95,-6.125) -13.45,-6.125 -8.95,-1.625 -8.95,0.925 -3.988,5.887 -3.988,9.888 -1.85,12.025 -1.85,20.45 0.3,22.6 0.3,27.925 v1(3.4,31.025) ; Hall_Sensor.1@-5.6,13.4 -7.05,14.85 -7.05,21.625 v1(-6.525,22.15) -7.075,22.7 -7.075,25.275 Increase_Encoder.1@-6.05,26.3 -8.05,28.3 v1(-8.05,30.15) -4.4,33.8 2.7,33.8 v1(3.4,33.1)
  Bottom Layer w0.25: U19.15@-9.575,30.675 -8.425,30.675 -8.05,30.3 v1(-8.05,30.15) ; U18.15@-9.525,23.325 -8.625,23.325 -7.45,22.15 v1(-6.525,22.15)
  Bottom Layer w0.4: v1(-34.9,-6.05) -33.45,-6.05 -30.7,-3.3 -26.575,-3.3 -25.8,-4.075 -25.075,-3.35 -19.85,-3.35 -19.075,-4.125 -18.3,-3.35 -12.9,-3.35 -12.35,-3.9 U11.8@-12.35,-5.125 -12.35,-5.975 -12.5,-6.125 v1(-13.95,-6.125) ; v1(-26.7,-6.125) -26.025,-6.125 -25.8,-5.9 U13.8@-25.8,-5.125 ; U5.2@-9.825,36.05 U5.1@-7.925,36.05 ; C74.1@4.425,33.1 4.425,33.3 5.675,34.55 8.45,34.55 10.275,36.375 U3.1@10.675,36.375
  other v1: 4.3,31.025 -8.8,36.05
15V: C24.2 C70.1 C71.2 Cff.2 Cout.1 R12.1 R13.1 R14.1 R77.2 Rfbt.2 U1.7 U10.1 U.7 | length 64.3
  Top Layer w0.25: R77.2@12.875,36.33 13.78,35.425 13.78,33.675
  Top Layer w0.6: C24.2@-23.86,-15.95 U10.1@-21.1,-15.95
  VDD w0.6: v4(-22.725,-16) -14.55,-16 -5.3,-6.75 5.625,-6.75 11.725,-0.65
  Bottom Layer w0.6: v4(-22.725,-16) -22.1,-16.625 -22.1,-25.745 R12.1@-20.32,-27.525 R13.1@-20.32,-30.138 R14.1@-20.32,-32.75
  other v1: 23.15,19.8 24.45,19.85 6.95,24.025 6.95,24.9
A_GND: "Abs Encoder.7" | length 14.3
  Top Layer w0.4: -16.8,34.425 -16.8,35.475 -13.65,38.625 -7.3,38.625 -5.55,36.875
ADC12_IN6: U9.22
ADC12_IN7: U9.23
ADC12_IN8: U9.26
ADC12_IN14: U9.24
ADC12_IN15: C88.2 R99.2 U7.2 U9.25 | length 34.1
  Top Layer w0.2: U9.25@-25.875,18.2 -24.725,18.2 -24.525,18 v1(-24,18)
  Bottom Layer w0.2: R99.2@-31.78,4.575 -30.975,5.38 -30.975,8.35 -30.575,8.75 -27.35,8.75 -26.925,8.325 -26.925,4.45 -26.475,4 U7.2@-26.15,4 -24.775,4 -23.525,5.25 -23.525,8.625 -24.975,10.075 -24.975,16.561 -24.69,16.846 -24.69,17.31 v1(-24,18)
  Bottom Layer w0.25: C88.2@-31.815,2.725 -31.815,4.54 R99.2@-31.78,4.575
ADC123_IN1: C35.2 R38.2 U9.15 | length 27.9
  Top Layer w0.25: C35.2@-37.525,7.22 R38.2@-35.7,7.22 -35.7,9.95 v1(-33.375,12.275) ; U9.15@-23.575,24 -23.575,22.575 v1(-23.175,22.175)
  GND w0.25: v1(-33.375,12.275) -31.75,13.9 -31.75,19.425 -28.375,22.8 -23.8,22.8 v1(-23.175,22.175)
ADC123_IN2: C45.2 R48.2 U9.16 | length 31.3
  Top Layer w0.25: v1(-32.9,10.8) -26.85,10.8 -25.325,9.275 R48.2@-25.325,7.27 C45.2@-27.1,7.27 ; v1@-24.075,22.225 U9.16@-24.075,24
  GND w0.25: v1(-32.9,10.8) -31.15,12.55 -31.15,19.2 -28.2,22.15 v1(-24,22.15)
ADC123_IN3: C55.2 R58.2 U9.17 | length 36
  Top Layer w0.25: U9.17@-25.875,22.2 -25.01,22.2 v1@-24.135,21.325 ; C55.2@-16.55,7.195 R58.2@-14.825,7.195 -14.825,8.4 v1(-15.275,8.85)
  GND w0.25: v1(-24,21.325) -27.9,21.325 -30.25,18.975 -30.25,14.175 -28.225,12.15 -16.625,12.15 -15.275,10.8 v1(-15.275,8.85)
ADC123_IN13: C79.2 R103.1 U9.11 | length 8.5
  Top Layer w0.25: v1@-21.975,25.775 -21.575,25.375 U9.11@-21.575,24
  Bottom Layer w0.25: v1@-21.975,25.775 -22.5,26.3 -22.5,28.42 R103.1@-23.4,29.32 C79.2@-20.96,29.32
  other v1: -21.975,25.85
BRAKE_CLOSE: U9.3 U19.5 | length 10.5
  Top Layer w0.25: U9.3@-17.575,24 -17.575,26.175 v1(-17.25,26.5) v1@-17.25,26.35
  Bottom Layer w0.25: v1@-17.25,26.35 v1(-17.25,26.5) -16.9,26.85 -16.9,31.95 -16.225,32.625 U19.5@-15.175,32.625
BRAKE_CTRL: U9.2 U19.4 | length 9.4
  Top Layer w0.25: U9.2@-17.075,24 -17.075,25.6 v1(-16.875,25.8)
  Bottom Layer w0.25: v1@-16.875,25.625 v1(-16.875,25.8) -16.375,26.3 -16.375,31.615 -16.015,31.975 U19.4@-15.175,31.975
BRAKE_INPUT_SIG: R71.1 Rp3.7 | length 87.5
  Top Layer w0.2: v1@-32.57,-19.595 R71.1@-31.475,-19.595
  GND w0.2: v1(-32.6,-19.625) -34.25,-17.975 -34.25,-11.3 -28.025,-5.075 -12.825,-5.075 -9.075,-1.325 -9.075,13.075 -6.275,15.875 0.175,15.875 3.05,18.75 3.05,20.19 2.3,20.94 2.3,23.8 0.375,25.725 0.375,29.9 v1(-0.6,30.875)
  Bottom Layer w0.2: Rp3.7@-5.655,32.15 -1.875,32.15 v1(-0.6,30.875)
BRAKE_OPEN: U9.4 U19.6 | length 11.3
  Top Layer w0.25: U9.4@-18.075,24 -18.075,26.7 v1(-17.5,27.275)
  Bottom Layer w0.25: v1(-17.5,27.275) -17.5,32.275 -16.5,33.275 U19.6@-15.175,33.275
CAN_RX: U9.44 U26.1 | length 5.7
  Top Layer w0.25: U9.44@-18.575,12.9 -18.575,11.65 -17.525,10.6 v1(-17.125,10.6)
  Bottom Layer w0.25: v1(-17.125,10.6) -16.775,10.25 U26.1@-14.75,10.25
CAN_TX: U9.45 U26.4 | length 6.6
  Top Layer w0.25: U9.45@-18.075,12.9 -18.075,11.875 -17.575,11.375 v1(-17.125,11.375)
  Bottom Layer w0.25: v1(-17.125,11.375) -17.125,13.025 -16.09,14.06 U26.4@-14.75,14.06
CLOSE_SIG: Rp3.6
DAC_OUT1: tp1.1 U9.20 | length 8.9
  Top Layer w0.25: tp1.1@-32.775,23.75 -32.775,22.45 -31.025,20.7 U9.20@-25.875,20.7
DAC_OUT2: tp2.1 U9.21 | length 8.7
  Top Layer w0.25: tp2.1@-33.85,22 -32.05,20.2 U9.21@-25.875,20.2
DRIVE_H1: R20.1 U10.27 | length 3.4
  Top Layer w0.4: U10.27@-11.425,-17.22 -9.95,-17.22 R20.1@-8.57,-18.6
DRIVE_H2: R22.1 U10.23 | length 3.5
  Top Layer w0.4: U10.23@-11.425,-22.3 -10.035,-22.3 R22.1@-8.57,-20.835
DRIVE_H3: R24.1 U10.19 | length 5.9
  Top Layer w0.4: U10.19@-11.425,-27.38 -10.68,-27.38 -9.975,-26.675 -9.975,-24.475 R24.1@-8.57,-23.07
DRIVE_L1: R21.1 U10.16 | length 7.1
  Top Layer w0.4: U10.16@-11.425,-31.19 -10.665,-31.19 -10,-30.525 -10,-27.675 -9.395,-27.07 -9.395,-26.145 R21.1@-8.842,-25.592
  other v4: -12.725,-31.15
DRIVE_L2: R23.1 U10.15 | length 6.6
  Top Layer w0.4: U10.15@-11.425,-32.46 -10.585,-32.46 -9.425,-31.3 -9.425,-28.395 R23.1@-8.57,-27.54
DRIVE_L3: R25.1 U10.14 | length 14.8
  Top Layer w0.4: U10.14@-21.1,-32.46 -14.165,-32.46 -13.25,-33.375 -10.531,-33.375 -8.65,-31.494 -8.65,-30.285
EN: U9.28 | length 2.1
  Top Layer w0.25: U9.28@-25.875,16.7 -24.446,16.7 v1(-24,17.146)
FAULT: U9.27